# Altium PCB LimeNet-Micro_2v1.PcbDoc (part 9 of 11)
Units mm, origin at the board's own origin, x right, y up, seen from the top; angles counter-clockwise.
Board outline 75 x 143 mm, 6 copper layers (Top, L2, L3, L4, L5, Bottom), stack 1.583 mm thick; 795 components, 565 nets, 3646 pads, 1420 vias.
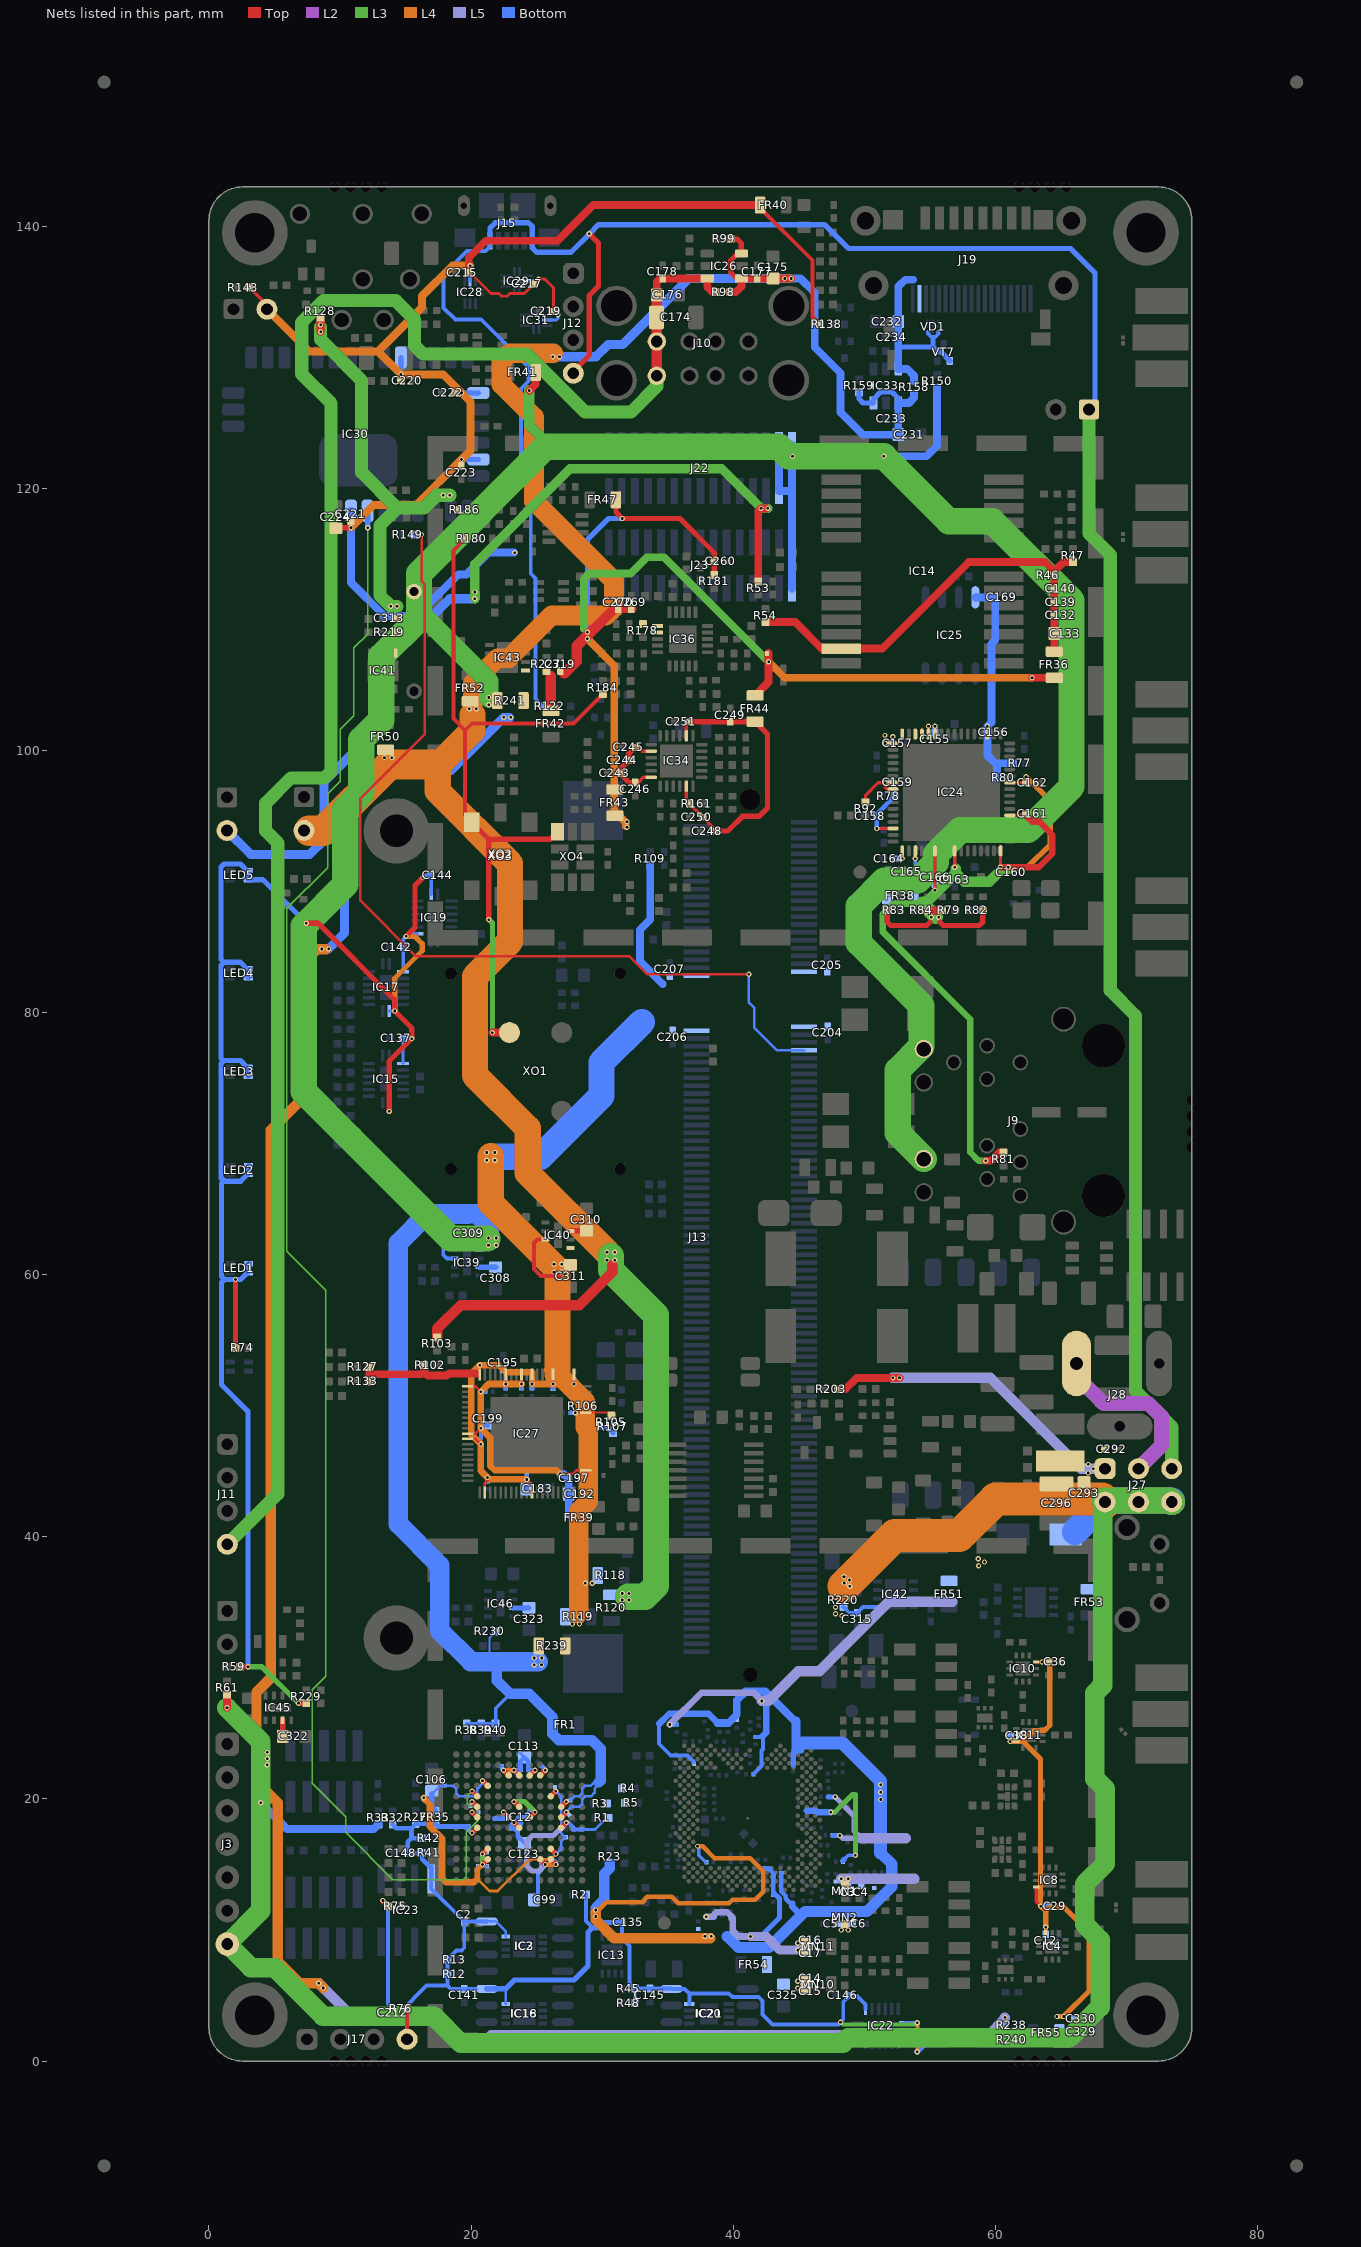
[diagram p13: the nets of this part, all layers, seen from the top]

## Via types
v1: diameter 0.4, hole 0.2, Top to Bottom, tented both sides, 1272 vias
v2: diameter 0.35, hole 0.2, Top to Bottom, tented both sides, 98 vias
v3: diameter 0.5, hole 0.2, Top to Bottom, tented bottom, 25 vias
v4: diameter 0.5, hole 0.2, Top to Bottom, tented both sides, 12 vias
v5: diameter 0.8, hole 0.4, Top to Bottom, tented both sides, 5 vias
v6: diameter 0.4, hole 0.2, Top to Bottom, tented top, 4 vias
v7: diameter 0.4, hole 0.2, Top to Bottom, tented bottom, 4 vias

## Nets (pads, with @x,y where several pads share a name; then routed paths per layer and width w, separated by ;. In a path a pad name is that pad's centre, name@x,y a point inside that pad or via, vN(x,y) a via of type N, cw(c..) or ccw(c..) an arc to the next point about the centre after c; other vN are vias at no path point) (continued)
VCC1P8_LMS: C3.1 C4.2 C5.1 C6.2 C14.2 C15.1 C16.1 C17.2 C325.2 FR2.2 FR3.1 FR4.1 FR5.2 FR6.2 FR7.2 FR8.2 FR9.2 FR51.1 FR53.1 FR54.2 MN1.2 MN2.2 MN10.2 MN11.2 R14.2 R20.2 R21.1 | length 65.7
  L5 w0.4: v1(47.786,20.153) 49.231,18.708 49.231,17.544 49.775,17 48.347,17 v1(48.135,17.212)
  L5 w0.5: v1(35.15,25.675) 37.575,28.1 41.55,28.1 v1(42.175,27.475) ; v1(37.937,10.999) 38.374,10.999 38.725,11.35 39.55,11.35 39.975,10.925 39.975,9.925 40.4,9.5 v1(41.325,9.5)
  L5 w0.7: v1(41.325,9.5) 42.525,9.5 43.564,8.461 v1(44.933,8.461)
  L5 w0.8: v1(42.175,27.475) 42.7,27.475 44.975,29.75 46.575,29.75 51.875,35.05 56.7,35.05 ; v1(48.254,13.904) 53.804,13.904 ; 49.775,17 53.175,17
  Bottom w0.3: FR6.2@41.552,21.894 42.172,22.514 42.172,23.678 42.275,23.781 42.275,24.825 ; FR5.2@41.707,24.729 42.179,24.729
  Bottom w0.35: FR7.2@42.461,14.703 42.706,14.703 43.066,14.343 FR9.2@43.066,12.683
  Bottom w0.4: v1(35.15,25.675) 35.154,25.679 R21.1@35.682,25.679 ; v1@37.937,10.974 R14.2@38.562,10.974 ; v1(41.325,9.5) 42.1,9.5 43.531,10.931 43.531,12.397 43.089,12.839 ; FR4.1@47.236,20.153 FR4.1@47.261,20.153 v1(47.786,20.153) ; FR3.1@47.61,17.212 v1(48.135,17.212)
  Bottom w0.5: v1(42.175,27.475) 42.506,27.144 42.506,25.056 42.275,24.825
  other v1: 44.933,5.561 44.933,6.09 44.933,8.99 48.247,9.994 48.775,9.994 48.782,13.904 58.725,37.8 59.175,38.075 58.7,38.325
VCC1P25_LMS: C315.2 FR12.2 FR13.2 FR14.2 FR15.2 FR16.2 FR17.2 FR18.2 FR19.2 FR20.2 FR21.2 FR22.2 FR23.2 FR24.2 FR25.2 FR26.2 FR27.2 FR28.2 IC42.1 R23.1 R220.2 | length 105.8
  L3 w0.4: v1(47.456,18.978) 47.753,18.978 49.1,20.325 49.325,20.325 ; v1(49.325,15.7) 49.325,20.125
  L4 w0.35: 29.5,11.325 30.3,12.125 33.05,12.125 33.45,12.525 35.325,12.525 35.82,12.03 39.68,12.03 39.95,12.3 41.675,12.3 42.3,12.925 42.3,14.475 41.3,15.475 38.575,15.475 37.666,16.384 v2(37.278,16.384)
  L4 w0.8: 29.5,11.325 29.5,10.775 30.925,9.35 v1@38.25,9.35
  Bottom w0.2: FR22.2@38.943,25.645 FR22.2@38.956,25.633
  Bottom w0.25: v2@37.381,16.328 37.381,15.702 FR25.2@37.94,15.142
  Bottom w0.3: 34.347,25.719 34.347,24.208 35.236,23.319 36.509,23.319 36.594,23.234 36.601,23.234 36.747,23.088 36.747,23.082 FR24.2@37.026,22.803 ; R220.2@48.405,34.654 48.855,34.204 C315.2@49.48,34.204 49.919,34.643 IC42.1@51,34.643 ; 48.481,15.403 48.778,15.7 v1(49.325,15.7)
  Bottom w0.35: FR15.2@43.656,14.348 43.656,12.944 44.006,12.594 44.006,12.369 44.311,12.064 FR28.2@44.522,12.064
  Bottom w0.4: FR16.2@48.339,15.261 FR16.2@48.431,15.353
  Bottom w0.45: FR18.2@44.581,22.633 44.581,23.453 44.781,23.653 ; 44.889,23.679 FR19.2@45.172,23.679
  Bottom w0.5: 34.347,25.719 35.128,26.5 38.114,26.5 FR22.2@38.81,25.804 ; FR28.2@44.522,11.989 44.522,11.769 44.822,11.469 ; FR17.2@45.606,19.083 46.311,19.083 46.416,18.978 v1(47.456,18.978)
  Bottom w0.6: FR22.2@38.81,25.804 39.654,25.804 40.272,26.422 40.272,27.519 40.947,28.194 42.456,28.194 44.781,25.869
  Bottom w0.7: 44.781,23.778 44.781,25.869 44.781,25.919
  Bottom w0.8: v1@29.5,11.225 29.5,11.675 30.15,12.325 30.15,14.275 30.597,14.722 R23.1@30.597,15.094
  Bottom w0.85: 39.55,9.5 40.4,8.65 42.725,8.65 45.473,11.398 50.198,11.398 52.1,13.3 52.1,15.025 51.25,15.875
  Bottom w1: 44.937,24.275 48.336,24.275 51.25,21.361 v1(51.25,21.075) v1(51.25,20.5) v1(51.25,19.95) 51.25,15.875
  other v1: 37.85,9.525 38.325,9.525 29.5,11.025 29.5,11.525 48.3,33.975 47.805,34.129 47.805,34.629
VCC2P5: C313.2 IC41.1 R128.1 R186.2 R219.2 | length 30.6
  Top w0.6: v1@8.507,131.95 R128.1@8.507,133.025
  L3 w1: v1@8.515,132.3 v1(8.515,131.95) 8.515,131.36 11.65,128.225 11.65,121.225 14.375,118.5 ; v1(14.35,111) v1(13.875,111) 13.05,111.825 13.05,117.175 14.375,118.5 ; v1(18.377,119.475) v1(17.875,119.475) 17.375,119.475 16.4,118.5 14.375,118.5
  other v1: 8.515,132.475
VCC3P0_BATT: J6.2 R53.2 | length 68.8
  Top w0.6: R53.2@41.915,112.9 41.915,118.265 v1(42.125,118.475) v1@42.552,118.475
  L3 w0.7: v1(20.275,111.575) v1(20.275,112.1) 20.275,114.225 27.55,121.5 39.113,121.5 42.138,118.475 v1(42.65,118.475)
  Bottom w0.7: J6.2@1.375,93.888 3.188,92.075 7.675,92.075 8.775,93.175 8.775,97.625 13.225,102.075 13.225,106.435 18.365,111.575 v1(20.275,111.575) v1(20.275,112.1)
VCC3P3: C2.1 C99.2 C100.1 C101.1 C102.1 C103.1 C104.1 C105.1 C113.2 C114.1 C115.1 C116.1 C117.1 C118.1 C123.2 C124.1 C125.1 C126.1 C127.1 C128.1 C129.1 C130.1 C131.1 C135.1 C137.2 C141.1 C142.2 C144.2 C145.1 C146.2 C148.1 C212.1 C309.2 FR1.2 FR35.1 FR41.2 IC2.8 IC3.8 IC12.C6 IC12.C7 IC12.C8 IC12.F7 IC12.F11 IC12.G6 IC12.G8 IC12.G11 IC12.H7 IC12.H11 IC12.J3 IC12.J11 IC12.K3 IC12.L6 IC12.L7 IC12.L8 IC13.8 IC15.10 IC15.16 IC16.8 IC17.10 IC17.16 IC18.8 IC19.10 IC19.16 IC20.8 IC21.8 IC22.10 IC22.16 IC23.8 IC39.3 IC39.5 J9.P6 J9.P12 J17.4 J22.14 J22.15 J23.15 LED1.1 LED1.2 LED2.1 LED2.2 LED3.1 LED3.2 LED4.1 LED4.2 LED5.1 LED5.2 LS1.1 R1.2 R2.2 R3.1 R4.1 R5.2 R12.1 R13.1 R27.1 R32.1 R38.1 R39.1 R40.1 R41.1 R42.1 R45.1 R48.1 R59.1 R74.1 R75.1 R76.1 R150.1 R229.1 R230.1 R239.2 R240.2 R241.2 | length 582.5
  Top w0.25: J17.4@15.118,1.652 15.125,1.659 R76.1@15.125,4
  Top w0.4: R74.1@2.025,54.412 v1@2.025,59.625 ; R59.1@2.375,30.075 v1(2.975,30.075) ; v1(6.825,27.295) R229.1@7.425,27.295 ; v1(7.425,86.825) 8.325,86.825 14.175,80.975 v1(14.175,80.125) 15.475,78.825 v1(15.475,78.016) 13.759,76.3 v1(13.759,72.459) ; v1(13.25,12.25) R75.1@13.7,11.8 ; v1(15.038,85.813) 15.725,86.5 15.725,89.7 v1(16.325,90.3) ; v1(20.072,17.394) IC12.C6@20.472,17.794 ; v1(20.072,18.994) IC12.C7@20.472,18.594 ; v1(20.072,19.794) IC12.C8@20.472,19.394 ; v1(22.472,18.994) IC12.F7@22.872,18.594 ; v1(22.472,22.194) IC12.F11@22.872,21.794 ; v1(23.272,18.194) IC12.G6@23.672,17.794 ; v1(23.272,19.794) IC12.G8@23.672,19.394 ; v1(23.272,22.194) IC12.G11@23.672,21.794 ; IC12.H7@24.472,18.594 v1(24.872,18.994) ; IC12.H11@24.472,21.794 v1(24.872,22.194) ; IC12.J3@25.272,15.394 v1(25.672,14.994) ; IC12.J11@25.272,21.794 v1(25.672,22.194) ; IC12.K3@26.072,15.394 v1(26.472,14.994) ; IC12.L6@26.872,17.794 v1(27.272,18.194) ; IC12.L7@26.872,18.594 v1(27.272,18.994) ; IC12.L8@26.872,19.394 v1(27.272,19.794)
  Top w0.6: v1(24.45,127.475) 24.925,127.95 FR41.2@24.925,128.85
  L3 w0.3: v1(48.19,2.95) 48.365,2.775 53.9,2.775 v1(54.05,2.925)
  L3 w0.4: v1(2.975,30.075) 4.045,30.075 v1(6.825,27.295) ; v1(23.272,19.794) 24.072,19.794 v1(24.872,18.994)
  L3 w0.8: v1(24.45,127.475) 24.45,124.825 25.7,123.575
  L3 w1.5: 16.3,110.325 21.35,105.275 v1(21.35,104.045)
  L3 w2: v1@21.23,62.755 18.445,62.755 10.788,70.413 7.225,73.975 7.225,86.6 10.4,89.775 10.4,95.525 11.625,96.75 11.625,100.825 13.15,102.35 13.15,107.2 16.025,110.075 16.025,113.5 25.7,123.175 43.5,123.175 44.225,122.45 v1(44.525,122.45) v1(51.5,122.45) 56.45,117.5 59.775,117.5 65.825,111.45 65.825,97.25 62.5,93.925 57.3,93.925 55.475,92.1 55.475,91.475 54.075,90.075 51.525,90.075 49.575,88.125 49.575,85.325 54.375,80.525 54.375,77.425 52.55,75.6 52.55,70.82 J9.P6@54.545,68.825
  L4 w0.3: v1(54.05,0.7) v1(54.05,2.925)
  L4 w0.35: v1(22.472,22.194) v1(23.272,22.194)
  L4 w0.4: v1(14.175,80.125) 14.175,82.625 16.275,84.725 16.275,85.249 15.711,85.813 v1(15.038,85.813) ; v1(25.672,14.994) v1(26.472,14.994)
  L5 w0.4: v1(25.672,14.994) 25.172,14.494 24.656,14.494 24.25,14.9 24.25,16.8 24.662,17.212 26.29,17.212 v1(27.272,18.194)
  Bottom w0.15: 21.4,30.575 21.4,32.27 R230.1@21.905,32.775
  Bottom w0.2: IC3.8@21.2,10.655 21.895,10.655 22.65,9.9 IC2.8@22.65,9.5 ; 22.63,5.505 22.65,5.485 IC16.8@22.65,4.35 ; v1(27.272,18.994) 27.672,19.394 28.238,19.394 28.472,19.628 28.472,19.96 28.706,20.194 29.144,20.194 29.425,20.475 29.425,20.8 29.625,21 ; C102.1@27.547,19.889 27.601,19.889 27.906,20.194 28.238,20.194 28.472,20.428 28.472,20.76 28.706,20.994 29.119,20.994 29.525,21.4 ; C104.1@28.442,17.669 29.47,17.669 R1.2@30.271,18.47 ; 29.75,21.275 29.872,21.153
  Bottom w0.25: v1(13.759,72.459) IC15.16@13.759,73.125 ; IC17.16@13.758,80.125 v1(14.175,80.125) ; C137.2@14.8,78.025 C137.2@14.809,78.016 ; IC15.10@14.809,76.125 C137.2@14.809,78.016 ; IC17.10@14.825,83.125 C142.2@14.825,84.975 14.825,85.6 v1(15.038,85.813) 15.25,86.025 IC19.10@15.9,86.025 ; v1(15.475,78.016) C137.2@14.809,78.016 ; v1(16.325,90.3) 16.5,90.475 C144.2@16.95,90.475 IC19.16@16.95,89.025 ; R38.1@19.672,25.744 R39.1@20.772,25.744 R40.1@21.872,25.744 21.872,26.922 22.975,28.025 ; C113.2@23.7,23.541 C113.2@24.072,23.169 ; IC22.16@53.1,2.925 v1(54.05,2.925)
  Bottom w0.3: v1(13.25,12.25) 13.675,11.825 13.675,4.399 14.399,3.675 C212.1@14.525,3.675 ; J17.4@15.118,1.652 15.118,3.082 C212.1@14.525,3.675 ; IC23.8@16.955,13.9 16.955,13.17 C2.1@19.475,10.65 C2.1@19.48,10.655 ; 17.875,64.3 17.875,61.5 18.15,61.225 IC39.3@18.75,61.225 ; 18.4,64.025 19.825,64.025 ; IC18.8@20.375,5.505 18.45,5.505 18.2,5.755 ; IC3.8@21.2,10.655 C2.1@19.48,10.655 ; C99.2@24.8,12.45 25.1,12.75 25.1,14.275 25.347,14.522 C105.1@25.347,14.964 25.642,14.964 v1(25.672,14.994) ; v1(27.272,18.194) 27.436,18.194 27.777,17.852 27.777,17.669 C101.1@27.802,17.669 C104.1@28.392,17.669 ; R2.2@28.772,12.694 28.772,10.678 29.275,10.175 ; C135.1@31.5,10.575 IC13.8@31.5,9.475 31.5,9.35 32.075,8.775 32.075,5.95 R45.1@32.5,5.525 ; R48.1@32.5,4.425 R45.1@32.5,5.525 ; IC20.8@36.65,4.35 36.65,5.155 ; IC22.10@50.1,3.975 50.1,4.322 49.447,4.975 48.875,4.975 48.4,4.5 48.4,3.16 v1(48.19,2.95) 48.04,2.8 43,2.8 42.25,3.55 42.25,4.575 41.95,4.875 39.941,4.875 39.661,5.155 36.65,5.155 ; C212.1@14.525,3.675 16.605,5.755 18.2,5.755 ; 18.2,5.755 R12.1@18.2,6.62 R13.1@18.2,7.74 18.885,8.425 19.265,8.425 19.48,8.64 C2.1@19.48,10.655 ; R45.1@32.5,5.525 35.28,5.525 IC21.8@35.3,5.505 36.3,5.505 36.65,5.155
  Bottom w0.35: R32.1@14.025,18.05 14.303,17.772 15.45,17.772 ; R42.1@16.272,17.094 R42.1@16.272,16.994 15.45,16.994 ; IC23.8@16.855,14.82 16.272,15.403 R41.1@16.272,15.894 16.228,15.85 C148.1@15.175,15.85 15.175,16.719 15.45,16.994 ; IC23.8@16.955,13.9 IC23.8@16.955,14.82 ; v1(20.072,17.394) 19.792,17.674 C124.1@19.792,17.894 17.472,17.894 FR35.1@17.272,18.094 R27.1@15.772,18.094 15.45,17.772 ; C118.1@21.797,18.499 C116.1@22.472,18.499 v1(22.472,18.994) ; C125.1@22.352,22.494 22.352,22.314 v1(22.472,22.194) ; v1(23.272,19.794) 23.752,19.794 C117.1@23.797,19.839 ; v1(23.272,22.194) 23.277,22.199 C114.1@23.772,22.199 23.772,22.869 C113.2@24.072,23.169 24.372,22.869 C128.1@24.372,22.199 24.377,22.194 v1(24.872,22.194) ; C130.1@23.817,18.144 23.322,18.144 v1(23.272,18.194) ; C123.2@24.072,16.644 23.572,17.144 23.572,17.478 23.301,17.749 C115.1@23.122,17.749 23.122,18.044 v1(23.272,18.194) ; v1(24.872,18.994) 24.797,19.069 C131.1@24.452,19.069 24.452,18.915 24.137,18.6 23.678,18.6 v1(23.272,18.194) ; C127.1@25.47,22.421 25.672,22.219 v1(25.672,22.194) ; 15.45,16.994 15.45,17.772
  Bottom w0.4: 0.925,67.368 0.925,76.107 1.155,76.337 2.4,76.337 3,75.737 LED3.2@3,75.137 ; 0.95,67.368 1.18,67.137 2.425,67.137 3.025,67.737 LED2.1@3.025,68.337 ; 1.105,76.337 0.925,76.518 0.925,83.607 1.155,83.837 ; 1.13,67.137 0.95,66.957 0.95,59.868 1.18,59.637 ; v1(2.975,30.075) 2.975,49.575 0.95,51.6 0.95,59.407 1.18,59.637 ; LED4.2@3,82.637 3,83.237 2.4,83.837 1.155,83.837 ; LED1.1@3.025,60.837 3.025,60.237 2.425,59.637 v1(2.025,59.637) 1.18,59.637 ; v1(7.425,86.825) 4.113,90.137 LED5.2@3,90.137 3,90.737 2.4,91.337 1.155,91.337 0.925,91.107 0.925,84.068 1.155,83.837 ; IC18.8@21.2,5.505 22.63,5.505 23.3,6.175 27.85,6.175 28.925,7.25 28.925,9.825 29.275,10.175 29.625,10.175 30.025,10.575 C135.1@31.5,10.575 ; C103.1@26.37,15.221 26.472,15.119 v1(26.472,14.994) ; v1(54.05,0.7) 54.975,1.625 R240.2@60.74,1.625
  Bottom w0.6: J22.14@43.5,123.3 J22.14@43.5,119.8 J22.15@44.5,119.8 ; J23.15@44.5,112.375 J23.15@44.5,115.875 J22.15@44.5,119.8 ; J22.15@44.5,123.3 J22.15@44.5,119.8 ; v1(51.5,122.45) 54.75,122.45 55.56,123.26 R150.1@55.56,127.675
  Bottom w0.8: 21.975,30.475 21.975,29.025 22.975,28.025 24.447,28.025 26.2,26.272 FR1.2@26.2,25.658 26.2,24.975 26.681,24.494 29.206,24.494 29.875,23.825 29.875,21.4 29.75,21.275
  Bottom w1.5: v1@21.362,62.725 21.362,63.729 20.442,64.65 16.675,64.65 14.45,62.425 14.45,40.975 17.6,37.825 17.6,32.855 19.98,30.475 21.975,30.475 25.125,30.475
  other v1: 24.825,30.225 25.375,30.225 24.825,30.75 25.4,30.75 21.325,62.25 21.925,62.25 21.325,62.8 21.925,62.8 21.35,103.5
VCC3P3_2: C155.1 C156.1 C157.1 C158.1 C159.1 C169.1 C183.2 C184.2 C185.1 C186.2 C187.1 C188.2 C189.1 C190.2 C191.1 C204.2 C205.2 C206.2 C207.2 C215.1 C217.1 C219.1 C220.2 C221.2 C222.2 C223.2 C224.2 C311.2 FR38.2 FR40.2 IC24.19 IC24.27 IC24.28 IC24.29 IC24.30 IC24.32 IC24.33 IC24.39 IC24.40 IC24.46 IC25.8 IC27.14 IC27.20 IC27.24 IC27.28 IC27.38 IC27.49 IC27.59 IC27.68 IC28.9 IC29.9 IC30.10 IC30.15 IC30.19 IC30.28 IC31.9 IC40.3 IC40.5 J13.39 J13.40 J13.41 J13.42 J18.2 R77.2 R78.2 R80.1 R92.1 R102.1 R105.2 R106.2 R107.2 R109.2 R118.2 R119.2 R127.1 R133.1 R138.1 R143.2 R239.1 | length 271.7
  Top w0.15: v1(27.95,49.475) IC27.14@28.75,49.475 R105.2@30.7,49.475
  Top w0.2: IC27.49@19.75,47.475 20.35,47.475 v1(20.75,47.075) ; IC27.38@20.65,52.375 v1(20.65,53.091) ; IC27.59@21.05,43.375 21.05,44.1 21.25,44.3 v1(21.25,44.525) ; v1(24.25,44.375) 24.65,43.975 IC27.68@24.65,43.375 ; v1(24.65,51.659) IC27.28@24.65,52.375 ; v1(26.25,51.659) IC27.24@26.25,52.375 ; v1(27.85,51.659) IC27.20@27.85,52.375
  Top w0.22: C215.1@19.925,136.475 21.525,134.875 22.124,134.875 22.337,134.662 22.732,134.662 22.945,134.875 24.05,134.875 v1(25.15,135.975) 25.625,135.975 26.275,135.325 C219.1@26.275,133.575 ; C219.1@26.287,133.587 v1(26.625,133.25)
  Top w0.25: R143.2@3.1,135.325 4.42,134.005 J18.2@4.42,133.675 ; R92.1@50.1,96.05 50.1,96.6 51.05,97.55 v1(51.6,97.55) ; v1(50.95,94.05) IC24.46@52.2,94.05 ; v1(51.6,100.55) IC24.33@52.2,100.55 ; IC24.40@52.2,97.05 51.75,97.05 51.6,97.2 v1(51.6,97.55) ; IC24.39@52.2,97.55 v1(51.6,97.55) ; IC24.27@55.4,101.25 v1(55.4,101.85) ; IC24.19@59.4,101.25 v1(59.4,101.85)
  Top w0.3: IC40.3@25.672,62.7 25.072,62.7 24.797,62.425 24.797,60.425 25.322,59.9 26.747,59.9 C311.2@27.597,60.75 ; FR40.2@42.05,141.625 42.05,141.4 46.04,137.41 46.04,133.112 R138.1@46.638,132.513
  Top w0.4: C224.2@9.68,117.005 v1(10.835,117.005) C221.2@10.835,117.51 ; C220.2@14.645,128.2 v1(14.645,128.705) ; C222.2@18.76,127.29 v1(19.265,127.29) ; C223.2@19.265,121.705 v1(19.265,122.21)
  Top w0.6: R133.1@12.25,51.864 R127.1@12.25,52.964 ; 12.3,52.4 16.2,52.4 16.4,52.6 ; R102.1@16.4,53.1 16.4,52.6 ; C215.1@19.825,136.475 19.825,137.6 21.125,138.9 26.6,138.9 29.325,141.625 FR40.2@42.05,141.625 ; 20.45,52.475 18.3,52.475 18.125,52.3 16.7,52.3 16.4,52.6
  L4 w0.5: v1(24.25,44.375) 21.4,44.375 v1(21.25,44.525) 20.75,45.025 v1(20.75,47.075) 20,47.825 20,52.441 v1(20.65,53.091) 22.109,53.091 22.65,52.55 24.65,52.55 v1(24.65,51.659) v1(26.25,51.659) 26.5,51.659 ; 27.62,51.43 v1(27.85,51.659)
  L4 w0.6: J18.2@4.42,133.675 7.645,130.45 12.9,130.45 ; v1(10.835,117.005) 12.555,118.725 15.78,118.725 v1(19.265,122.21) 19.95,122.895 19.95,126.605 v1(19.265,127.29) 17.85,128.705 v1(14.645,128.705) 12.9,130.45 ; v1(19.925,137) 18.575,137 16.25,134.675 16.25,133.8 12.9,130.45
  L4 w1.5: 26.3,52.75 26.6,52.45 27.62,51.43 28.7,50.35 28.7,48.35 28.95,48.1 28.95,42.678 28.225,41.953 28.225,34.15
  L4 w2: 21.503,69.034 21.503,65.472 26.6,60.375 26.6,52.45 26.6,52.4
  Bottom w0.22: IC28.9@19.925,135.8 v1(19.925,137) ; IC29.9@24.35,135.825 25,135.825 v1(25.15,135.975) ; IC31.9@25.825,132.838 26.488,132.838 26.625,132.975 v1(26.625,133.25)
  Bottom w0.3: C186.2@20.75,46.625 v1(20.75,47.075)
  Bottom w0.35: v1(20.65,53.091) C185.1@20.979,53.091 ; C188.2@21.25,44.23 v1(21.25,44.525) ; C183.2@24.225,43.65 24.25,43.675 v1(24.25,44.375) C189.1@24.25,44.67 ; C191.1@24.65,51.33 v1(24.65,51.659) ; C190.2@26.25,51.33 v1(26.25,51.659) ; C187.1@27.605,49.475 v1(27.95,49.475) R106.2@28.55,49.475 29.65,48.375 30.35,48.375 R107.2@30.825,47.9 ; v1(27.85,51.659) C184.2@27.85,51.989 ; v1(50.95,94.05) 50.95,95.15 R78.2@52.325,96.525 52.325,97.325 C159.1@52.075,97.575 52.05,97.55 v1(51.6,97.55) ; v1(51.6,100.55) C157.1@52.075,100.55 ; C159.1@52.2,97.54 C159.1@52.2,97.55 ; C155.1@55.4,101.375 v1(55.4,101.85) ; R77.2@61.225,98.9 R77.2@61.35,99.025
  Bottom w0.4: v1(14.645,128.705) IC30.10@14.645,129.99 ; v1(19.265,122.21) IC30.19@20.55,122.21 ; v1(19.265,127.29) IC30.15@20.55,127.29
  Bottom w0.6: IC30.28@10.835,118.29 v1(10.835,117.005) 10.835,112.815 13.375,110.275 15.875,110.275 19.025,113.425 19.65,113.425 21.325,115.1 v1@23.275,115.1 ; 32.9,86.3 32.9,83.9 34.625,82.175 ; 32.95,86.375 33.675,87.1 R109.2@33.675,91.25 ; IC25.8@58.481,111.687 C169.1@60.001,111.687 60.001,108.426 59.7,108.125 59.7,102.15 v1(59.4,101.85) C156.1@59.4,101.4 59.4,99.625 60,99.025 ; R80.1@60.125,97.925 60.125,98.9 60,99.025 ; R77.2@61.35,99.025 60,99.025